# KiCad board STM32MP25XXAK with 2 DDR4.kicad_pcb (continued)
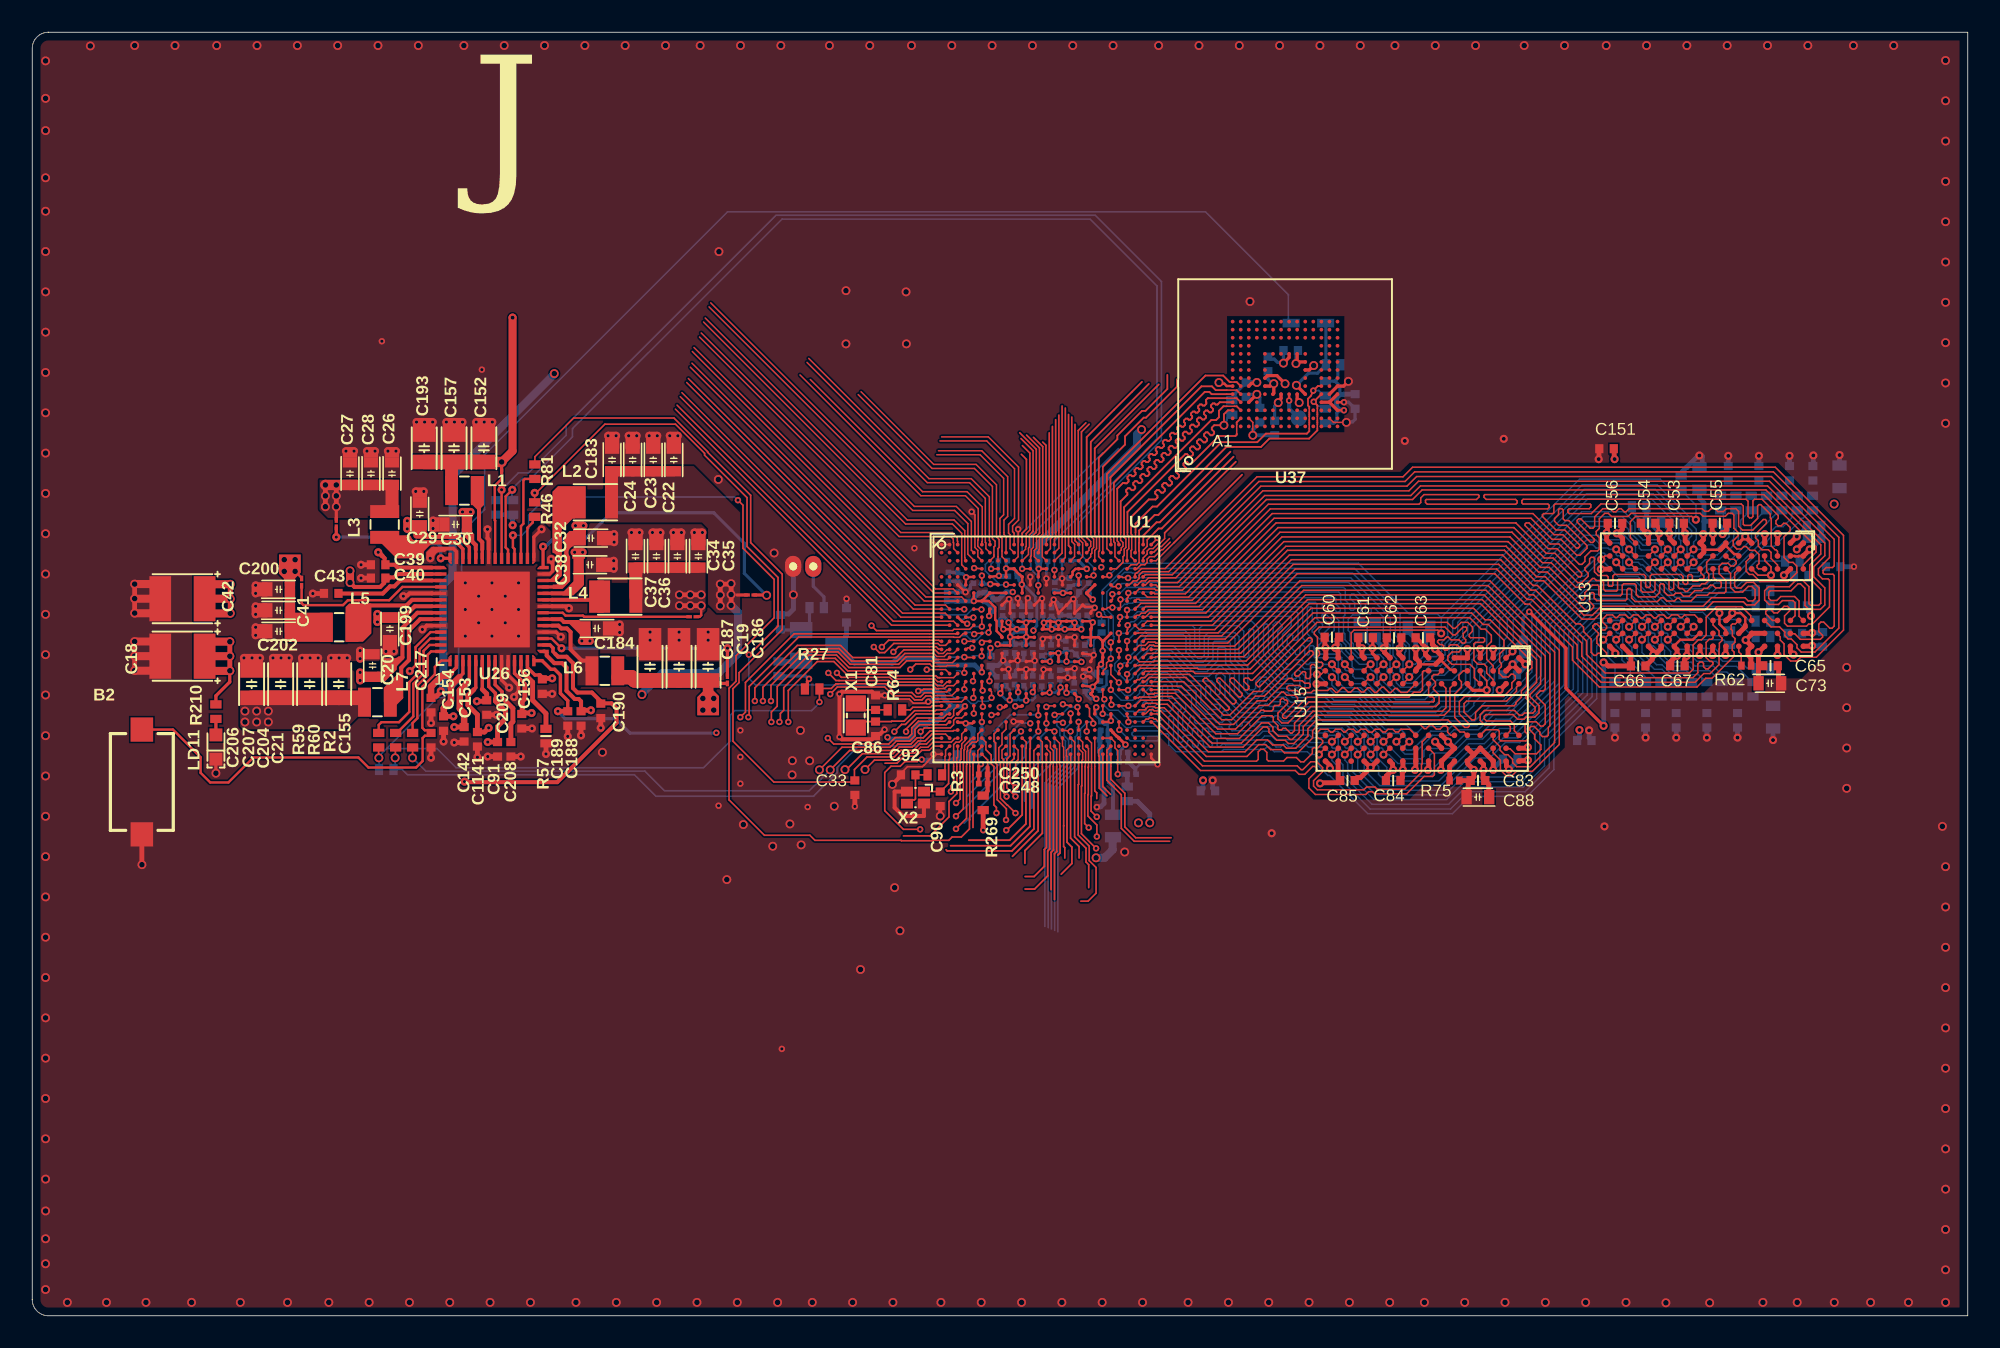
[diagram p0: board, top side]
## Routing (per net, layer and track width the routed paths; a pad name or vN(x,y) marks a point on that pad's centre or on a via; arc(x,y) is an arc through that point) (continued)
DDR_DQ17: length 57.9
  Top Layer w0.09: U1.E26 69.01,45.96 70.68,45.96 76.17,51.45 85.23,51.45 85.83,52.04 107.83,52.04 111.72,48.16 111.72,46.5 111.62,46.4 111.22,46.4 111.03,46.21 111.03,46.07 111.11,45.99 111.64,45.99 111.72,45.91 111.72,42.77 111.59,42.64 111.45,42.64 111.07,43.02 110.9,43.02 110.76,42.89 110.76,42.43 111,42.19 111,42.09 110.86,41.95 109.62,41.95 109.27,42.3 109.03,42.3 U13.B8
DDR_DQ18: length 60.7
  Top Layer w0.09: U1.F24 68.01,45.33 68.26,45.57 68.48,45.57 68.63,45.72 68.63,45.93 68.84,46.15 70.46,46.15 76.05,51.74 85.11,51.74 85.71,52.33 107.95,52.33 112.01,48.28 112.01,42.64 110.52,41.16 109.68,41.16 109.41,41.43 109.41,41.62 109.06,41.98 108.86,41.98 108.66,42.18 108.66,42.39 108.33,42.72 107.8,42.72 U13.D7
DDR_DQ19: length 60.6
  Top Layer w0.09: U13.C8 108.21,42.28 108.38,42.1 108.38,41.9 108.61,41.67 108.61,41.01 109.02,40.6 109.4,40.61 109.64,40.84 110.61,40.84 112.3,42.52 112.3,48.4 108.07,52.62 85.58,52.62 84.99,52.03 75.93,52.03 70.24,46.34 68.77,46.34 68.52,46.08 68.46,46.08 68.38,46 U1.E25
DDR_DQ20: length 58.9
  Top Layer w0.09: U1.J25 68.73,44.18 72.13,44.18 77.12,49.17 91.98,49.17 91.98,49.17 93.87,47.28 94.41,47.28 95.87,45.82 95.98,45.82 96.06,45.9 96.06,46.05 94.53,47.57 93.99,47.57 92.55,49.01 92.55,49.1 92.63,49.17 92.8,49.17 94.11,47.86 94.65,47.86 95.92,46.6 96.08,46.6 96.26,46.78 96.26,47.06 96.64,47.43 97.05,47.43 97.16,47.54 97.16,48.26 96.97,48.45 96.97,48.64 97.16,48.83 97.16,49.43 97.5,49.76 97.72,49.76 97.91,49.57 98.93,49.57 99.13,49.76 103.41,49.76 103.59,49.58 104.97,49.58 105.15,49.76 105.4,49.76 105.5,49.66 105.5,48.84 105.78,48.57 105.78,48.38 105.46,48.07 105.46,47.78 105.68,47.55 105.96,47.55 106.11,47.7 106.27,47.7 106.5,47.47 106.8,47.47 107.06,47.22 107.06,46.65 106.94,46.53 106.94,46.41 107.03,46.32 U13.D3
DDR_DQ21: length 59.1
  Top Layer w0.09: U13.C3 108.21,46.56 107.81,46.96 107.81,47.34 107.64,47.51 107.24,47.51 107.02,47.73 107.02,48.07 106.84,48.25 106.84,48.47 107.52,49.14 107.52,49.31 107.45,49.38 107.33,49.38 106.67,48.73 106.04,48.73 105.79,48.97 105.79,49.89 105.62,50.05 105.03,50.05 104.85,49.87 104.51,49.87 104.33,50.05 104.09,50.05 103.92,49.89 103.7,49.89 103.53,50.05 99.01,50.05 98.81,49.86 98.71,49.86 98.51,50.05 98.37,50.05 98.18,49.86 98.03,49.86 97.84,50.05 97.38,50.05 96.87,49.55 96.87,48.95 96.76,48.85 96.59,48.85 96.01,49.43 95.88,49.43 95.78,49.33 95.78,49.22 96.85,48.15 96.85,48.06 96.75,47.96 96.62,47.96 95.26,49.32 95.02,49.32 94.92,49.42 94.92,49.97 94.84,50.05 94.68,50.05 94.63,50 94.63,49.69 94.38,49.44 94.38,49.27 94.63,49.02 95.13,49.02 96.39,47.76 96.39,47.6 95.96,47.17 95.76,47.17 94.77,48.15 94.23,48.15 93.31,49.07 92.92,49.46 77,49.46 71.91,44.37 68.69,44.37 68.62,44.44 68.49,44.44 68.38,44.33
DDR_DQ22: length 56.9
  Top Layer w0.09: 108.21,47.1 108.21,47.41 108.11,47.51 108.05,47.51 107.82,47.74 107.82,49.42 ; U1.G26 69.13,44.57 71.69,44.57 76.88,49.75 93.04,49.75 94.35,48.44 94.89,48.44 95.73,47.61 95.84,47.61 95.94,47.71 95.94,47.8 95.01,48.73 94.47,48.73 93.63,49.57 93.63,49.67 93.71,49.75 94.28,49.75 94.34,49.81 94.34,50.26 94.43,50.34 96.58,50.34 96.63,50.29 96.63,50.15 96.53,50.05 95.29,50.05 95.21,49.97 95.21,49.84 95.3,49.75 96.66,49.75 97.26,50.34 105.95,50.34 106.08,50.22 106.08,49.09 106.16,49.02 106.54,49.02 106.97,49.45 106.97,50.22 107.06,50.31 107.16,50.31 107.76,49.71 107.76,49.48 107.82,49.42
DDR_DQ23: length 59.5
  Top Layer w0.09: U1.G25 68.63,45.07 69.59,45.07 69.66,45 71.31,45 76.64,50.33 85.98,50.33 86.09,50.44 86.09,50.72 86.29,50.92 89.65,50.92 89.7,50.87 89.7,50.78 89.55,50.62 86.43,50.62 86.38,50.57 86.38,50.44 86.49,50.33 91.98,50.33 92.07,50.42 92.07,50.53 91.96,50.63 90.14,50.63 90.01,50.77 90.01,50.87 90.06,50.92 107.37,50.92 110.6,47.69 110.6,47.36 109.81,46.57 U13.A3
DDR_DQ24: length 45.3
  Top Layer w0.09: U1.J26 69.04,43.99 72.35,43.99 77.24,48.88 91.86,48.88 91.86,48.88 93.75,46.99 94.29,46.99 95.82,45.46 96.06,45.46 96.47,45.87 96.47,46.05 96.27,46.25 96.27,46.38 96.55,46.66 96.55,46.94 96.65,47.03 96.79,47.03 96.86,46.97 96.86,46.14 97.09,45.91 97.62,45.91 97.71,45.82 97.71,45.3 97.76,45.25 97.95,45.25 98,45.3 98,45.88 98.1,45.97 99.92,45.97 100.03,45.86 100.03,45.23 100.09,45.16 100.24,45.16 100.32,45.24 100.32,45.88 100.42,45.97 102.23,45.97 102.35,45.86 102.35,45.47 102.46,45.36 102.56,45.36 102.64,45.43 102.64,45.9 102.7,45.96 102.85,45.96 102.93,45.89 102.93,45.61 102.98,45.55 103.25,45.55 103.4,45.7 103.59,45.7 103.64,45.75 103.64,45.88 103.45,46.07 103.45,46.27 U13.J3
DDR_DQ25: length 45.7
  Top Layer w0.09: 96.97,45.6 97.31,45.6 97.42,45.49 97.42,45.06 97.53,44.95 98.22,44.95 98.29,45.01 98.29,45.6 98.37,45.69 99.64,45.69 99.74,45.59 99.74,44.99 99.85,44.87 100.49,44.87 100.61,44.99 100.61,45.6 100.7,45.69 101.41,45.69 101.48,45.62 101.48,45.08 101.55,45.01 101.68,45.01 101.77,45.1 101.77,45.62 101.84,45.69 101.99,45.69 102.06,45.61 102.06,45.16 102.12,45.1 102.32,45.1 102.5,44.92 102.62,44.92 102.96,45.26 103.38,45.26 103.52,45.4 103.73,45.4 103.94,45.61 103.94,46.02 103.81,46.15 103.81,46.72 U13.H2 ; 93.62,46.71 91.74,48.59 91.74,48.59 77.36,48.59 72.55,43.78 69.2,43.78 68.99,43.58 68.76,43.58 68.63,43.44 68.49,43.44 U1.K25 ; 93.64,46.7 94.17,46.7 95.7,45.17 96.18,45.17 96.73,45.72 96.85,45.72 96.97,45.61
DDR_DQ26: length 45.1
  Top Layer w0.09: U1.K26 69.01,43.32 69.27,43.58 72.76,43.58 77.48,48.3 91.62,48.3 91.62,48.3 93.51,46.41 94.05,46.41 96.07,44.4 96.18,44.4 96.26,44.47 96.26,44.84 96.73,45.31 97.05,45.31 97.13,45.24 97.13,44.72 97.19,44.66 98.47,44.66 98.58,44.77 98.58,45.31 98.67,45.4 99.35,45.4 99.45,45.29 99.45,44.71 99.58,44.58 100.63,44.58 100.9,44.86 100.9,45.33 100.97,45.4 101.11,45.4 101.19,45.32 101.19,44.89 101.4,44.68 101.75,44.68 101.89,44.81 102.2,44.81 102.38,44.63 102.74,44.63 103.08,44.97 103.5,44.97 103.64,45.11 103.85,45.11 104.05,45.31 104.2,45.31 104.37,45.14 104.63,45.14 104.72,45.23 104.72,45.48 104.6,45.59 104.43,45.59 104.23,45.79 104.23,46.3 U13.H3
DDR_DQ27: length 46.7
  Top Layer w0.09: U1.K27 72.91,43.32 77.6,48.01 91.5,48.01 91.5,48.01 93.39,46.12 93.93,46.12 96.31,43.74 96.61,43.74 96.8,43.94 96.8,44.05 96.55,44.3 96.55,44.72 96.68,44.85 96.77,44.85 96.84,44.78 96.84,44.51 97,44.35 98.77,44.35 98.87,44.45 98.87,45.02 98.95,45.11 99.07,45.11 99.16,45.01 99.16,44.51 99.38,44.29 100.76,44.29 101,44.53 101.13,44.53 101.34,44.33 101.81,44.33 101.98,44.5 102.1,44.5 102.27,44.33 102.84,44.33 103.2,44.68 103.86,44.68 104,44.82 104.91,44.82 105.01,44.92 105.01,45.6 104.58,46.02 104.58,46.47 104.78,46.66 105.15,46.66 105.31,46.5 105.5,46.5 105.65,46.65 105.65,46.79 105.52,46.91 105.22,46.91 105.01,47.12 U13.G2
DDR_DQ28: length 45.8
  Top Layer w0.09: 101.25,43.36 101.15,43.46 100.86,43.46 100.67,43.28 100.54,43.28 100.35,43.46 100.06,43.46 99.85,43.26 99.75,43.26 99.75,43.26 99.55,43.46 99.26,43.46 99.09,43.29 98.95,43.29 98.78,43.46 98.42,43.46 98.25,43.3 98.15,43.3 97.98,43.46 97.62,43.46 97.36,43.2 97.36,43.03 97.61,42.77 97.61,42.64 97.5,42.53 97.38,42.53 97,42.91 96.89,42.91 96.75,42.77 96.75,42.68 97.1,42.33 97.1,42.22 97.01,42.13 97.01,41.71 97.61,41.11 97.61,40.98 97.55,40.93 97.34,40.93 97.18,41.08 97.08,41.08 96.95,40.95 96.84,40.95 96.65,41.14 96.65,41.96 96.18,42.44 96.18,42.44 96.18,42.7 95.98,42.91 95.71,42.91 93.32,45.29 93.05,45.29 93.04,45.3 93.03,45.3 91.16,47.18 91.15,47.18 77.94,47.18 73.32,42.55 68.64,42.55 68.38,42.82 ; 101.25,43.37 101.34,43.28 101.45,43.28 101.64,43.46 102.02,43.46 102.18,43.31 102.29,43.31 102.44,43.46 103.07,43.46 103.41,43.13
DDR_DQ29: length 44.7
  Top Layer w0.09: U1.N25 68.71,42.16 73.74,42.16 78.18,46.6 90.91,46.6 90.92,46.6 92.79,44.72 92.8,44.72 92.81,44.71 93.08,44.71 96.07,41.72 96.07,40.9 97.4,39.57 102.96,39.57 103.27,39.88 103.27,40.42 103.39,40.54 103.53,40.54 103.62,40.46 103.62,40.26 103.76,40.12 103.9,40.12 104.2,40.42 104.2,40.51 104.13,40.58 104.02,40.58 103.78,40.82 103.78,41.76 103.97,41.95 104.12,41.95 104.21,42.04 104.21,42.32 U13.H8
DDR_DQ30: length 44.5
  Top Layer w0.09: U1.N26 69.02,41.97 73.96,41.97 78.3,46.31 90.79,46.31 90.8,46.31 92.67,44.43 92.68,44.43 92.69,44.42 92.96,44.42 95.78,41.6 95.78,40.78 97.28,39.28 97.49,39.28 97.49,39.28 103.09,39.28 103.63,39.83 104.02,39.83 104.58,40.39 104.58,41.34 104.6,41.36 104.6,41.71 104.77,41.88 104.77,42.03 104.58,42.21 104.58,42.47 104.21,42.84 104.21,43.12 U13.H7
DDR_DQ31: length 46
  Top Layer w0.09: U1.P25 68.63,41.57 69,41.57 69.2,41.78 69.61,41.78 69.66,41.72 74.12,41.72 78.42,46.02 90.67,46.02 90.68,46.02 92.55,44.14 92.56,44.14 92.57,44.13 92.84,44.13 95.49,41.48 95.49,40.66 97.16,38.99 103.21,38.99 103.75,39.54 104.15,39.54 105.52,40.91 105.52,41.16 105.4,41.27 105.4,41.6 105.57,41.77 105.57,42 105.41,42.16 105.41,42.5 105.33,42.58 105.33,42.82 105.41,42.91 105.59,42.91 U13.F7
DDR_DQM0: length 23.9
  Top Layer w0.09: U15.E7 88.77,36.2 88.52,36.2 87.77,36.95 79.63,36.95 79.09,36.41 79.09,35.95 78.34,35.2 77.76,35.2 77.56,35.4 76.9,35.4 76.59,35.71 75.93,35.71 75.19,34.97 72.91,34.97 70.18,37.71 69.64,37.71 69.56,37.78 69.19,37.78 68.99,37.57 68.63,37.57 U1.AB25
DDR_DQM1: length 39.1
  Top Layer w0.09: U15.E2 88.72,40 88.46,39.73 88.46,39.47 88.61,39.32 88.61,38.97 88.19,38.55 88.19,37.11 88.81,36.49 89.01,36.49 89.1,36.57 89.1,36.7 88.48,37.32 88.48,38.08 88.81,38.41 91.23,38.41 91.73,38.92 91.73,39.26 91.95,39.47 91.95,39.66 91.82,39.79 91.69,39.79 91.52,39.62 91.18,39.62 90.94,39.85 90.94,40.11 91.09,40.26 91.09,40.45 90.98,40.56 90.98,41.04 91.24,41.31 91.24,41.89 90.26,42.87 89.95,42.87 89.24,43.58 79.41,43.58 75.66,39.83 72.11,39.83 71.97,39.96 69.01,39.96 68.88,39.83
DDR_DQM2: length 57.2
  Top Layer w0.09: U1.G27 69.54,44.82 69.6,44.77 71.49,44.77 76.76,50.04 93.95,50.04 94.05,50.14 94.05,50.26 93.97,50.34 92.43,50.34 92.36,50.41 92.36,50.55 92.44,50.63 106.26,50.63 106.38,50.52 106.38,49.58 106.47,49.48 106.6,49.48 106.68,49.57 106.68,50.54 106.78,50.63 107.25,50.63 108.25,49.63 108.25,49.45 108.11,49.31 108.11,49.13 108.24,48.99 108.43,48.99 108.59,49.14 108.74,49.14 108.99,48.89 108.99,48.69 108.61,48.31 108.61,47.03 108.92,46.72 109.17,46.72 109.4,46.49 109.4,46.09 108.85,45.53 107.12,45.53 106.67,45.97 106.46,45.97 106.26,46.18 106.26,46.77 106.61,47.12
DDR_DQM3: length 47.2
  Top Layer w0.09: U1.M25 68.54,42.32 68.57,42.35 73.52,42.35 78.06,46.89 91.03,46.89 91.04,46.89 92.91,45.01 92.92,45.01 92.93,45 93.2,45 96.36,41.84 96.36,41.02 97.52,39.86 102.75,39.86 102.98,40.09 102.98,41.6 103.3,41.92 103.49,41.92 103.78,42.21 103.78,43.33 104.43,43.98 105.98,43.98 106.55,43.41 106.55,43.18 U13.E7
DDR_DQS0_N: length 24.1
  Top Layer w0.09: U15.F3 87.9,38.92 87.9,37.6 87.54,37.24 79.51,37.24 78.8,36.53 78.8,36.07 78.22,35.49 77.88,35.49 77.68,35.69 77.17,35.69 76.67,36.19 76.67,36.39 76.55,36.51 76.32,36.51 75.07,35.26 73.03,35.26 70.37,37.92 69.73,37.92 69.68,37.98 69.03,37.98 U1.AA26
DDR_DQS0_P: length 24.3
  Top Layer w0.09: U15.G3 87.37,39.19 87.65,38.92 87.65,37.71 87.43,37.49 79.41,37.49 78.55,36.63 78.55,36.17 78.12,35.74 77.98,35.74 77.78,35.94 77.27,35.94 76.92,36.29 76.92,36.49 76.65,36.76 76.22,36.76 74.97,35.51 73.14,35.51 70.48,38.17 68.72,38.17 U1.AA25
DDR_DQS1_N: length 38.9
  Top Layer w0.09: U1.R25 68.64,40.56 69.53,40.56 69.57,40.6 75.26,40.6 79.06,44.41 89.9,44.41 93.52,40.79 93.52,39.18 92.87,38.53 92.87,38.4 93.42,37.84 93.42,37.39 93.16,37.13 92.62,37.13 92.49,36.99 92.09,36.99 91.8,37.29 90.13,37.29 90.02,37.18 90.02,37.03 90.16,36.89 91.65,36.89 91.89,36.65 91.89,36.28 U15.A7
DDR_DQS1_P: length 38.4
  Top Layer w0.09: 91.36,36 91.64,36.28 91.64,36.54 91.54,36.64 90.06,36.64 89.77,36.92 89.77,37.28 90.03,37.54 91.9,37.54 92.2,37.24 92.38,37.24 92.52,37.38 93.03,37.38 93.17,37.52 93.17,37.74 92.62,38.29 92.62,38.63 93.27,39.28 93.27,40.69 89.79,44.16 79.17,44.16 75.36,40.35 68.64,40.35 68.61,40.32 U1.T25
DDR_DQS2_N: length 59.7
  Top Layer w0.09: U1.F26 69.02,45.32 69.27,45.57 69.77,45.57 69.88,45.47 71.01,45.47 76.41,50.87 85.47,50.87 86.07,51.46 107.59,51.46 111.14,47.92 111.14,47.14 110.45,46.45 110.45,45.83 111.14,45.14 111.14,44.08 110.86,43.81 110.16,43.81 109.9,44.06 109.9,45.12 109.63,45.39 109.48,45.39 109.05,44.96 107.76,44.96 107.66,44.86 107.66,44.49 107.79,44.36 108.16,44.36 108.4,44.6 109.27,44.6 109.54,44.33 109.54,43.38 U13.A7
DDR_DQS2_P: length 58.7
  Top Layer w0.09: U1.F27 69.66,45.32 69.77,45.22 71.12,45.22 76.52,50.62 85.58,50.62 86.17,51.21 107.49,51.21 110.89,47.81 110.89,47.24 110.2,46.56 110.2,45.72 110.89,45.04 110.89,44.18 110.76,44.06 110.26,44.06 110.15,44.16 110.15,45.22 109.73,45.64 109.37,45.64 108.94,45.21 107.65,45.21 107.41,44.97 107.41,44.39 107.69,44.11 108.27,44.11 108.51,44.35 109.16,44.35 109.29,44.22 109.29,43.41 109.01,43.13
DDR_DQS3_N: length 45.8
  Top Layer w0.09: U13.F3 105.55,46.06 105.55,45.27 105.68,45.13 105.94,45.13 106.29,45.48 106.72,45.48 107.07,45.13 107.07,44.37 106.79,44.09 106.28,44.09 106.09,44.28 104.22,44.28 103.69,43.75 97.4,43.75 96.84,43.2 96.09,43.2 93.71,45.58 93.17,45.58 91.28,47.47 91.27,47.47 77.82,47.47 73.18,42.82 69.38,42.82 U1.L27
DDR_DQS3_P: length 46
  Top Layer w0.09: 105.01,46.32 105.3,46.03 105.3,45.16 105.58,44.88 106.04,44.88 106.39,45.23 106.61,45.23 106.82,45.03 106.82,44.47 106.68,44.34 106.39,44.34 106.19,44.53 104.12,44.53 103.59,44 97.29,44 96.74,43.45 96.19,43.45 93.81,45.83 93.27,45.83 91.38,47.72 91.38,47.72 77.72,47.72 73.07,43.07 69.48,43.07 69.48,43.07 69.13,43.07 U1.L26
DDR_ODT: length 60.6
  Top Layer w0.09: U13.K3 103,46.72 v3(103,46.73) ; U15.K3 84.99,39.2 85.38,39.59 85.38,39.62 ; v1(66.87,41.77) 66.87,41.76 U1.P22 ; 103.01,46.69 103.01,46.72
  Bottom Layer w0.09: v1(66.87,41.77) 67.07,41.97 67.07,42.12 67.02,42.16 67.02,43.38 66.62,43.78 66.62,44.89 67,45.27 67,45.38 67.71,46.1 68.16,46.1 68.2,46.06 81.86,46.06 84.51,43.41 84.51,42.19 85.17,41.54 85.17,41.21 85.09,41.13 85.09,40.68 84.98,40.57 84.98,40.03 85.38,39.63 v3(85.38,39.62) ; v3(103,46.73) 103,47.06 102.93,47.13 102.84,47.13 102.6,47.38 102.6,47.89 102.71,48 102.71,48.19 102.88,48.36 102.88,48.69 102.38,49.19 102.38,49.5 100.62,51.25 96.22,51.25 88.06,43.09 88.06,42.15 87.59,41.67 87.59,41 87.18,40.59 86.36,40.59 85.38,39.61 ; 105.63,49.95 R170.1 105.63,48.78 105.49,48.64 105.49,48.2 104.48,47.18 103.47,47.18 103.01,46.72
DDR_RASN: length 59.6
  Top Layer w0.09: U1.R23 v1(67.38,41.28) 67.38,41.29 ; 101.41,41.93 101.8,42.32 ; 83.78,34.83 84.15,35.2
  Bottom Layer w0.09: 100.76,43.12 100.7,43.12 99.09,44.74 96.37,44.74 94.39,42.75 94.39,39.35 91.74,36.71 90.85,36.71 89.91,35.77 88.94,35.77 88.06,34.89 86.78,34.89 86.64,34.76 86.64,34.38 86.52,34.25 84.67,34.25 84.11,34.8 v3(83.78,34.8) 83.75,34.83 83.75,35.13 83.67,35.21 83.54,35.21 83.38,35.37 83.38,35.8 81.79,37.39 80.32,37.39 79.95,37.76 77.91,37.76 77.59,38.08 76.85,38.08 76.57,38.35 76.45,38.35 76.09,37.99 75.13,37.99 74.54,38.58 74.54,39.89 73.99,40.43 73.99,41.39 73.92,41.45 73.57,41.45 73.49,41.38 73.49,40.61 72.83,39.95 71.93,39.95 70.62,41.26 69.73,41.26 68.26,39.79 68.26,39.62 68.07,39.43 67.78,39.43 67.78,39.43 67.75,39.43 67.12,40.07 67.12,40.45 67.38,40.71 v1(67.38,41.28) 67.38,41.29 ; R185.1 106.58,39.3 106.37,39.51 106.37,39.56 105.65,40.28 104.71,40.28 104.4,40.58 103.21,40.58 102.97,40.83 102.97,41.11 102.76,41.33 102,41.33 v3(101.4,41.93) 101.4,42.28 101.35,42.33 101.23,42.33 101.01,42.56 101.01,42.88 100.76,43.13
DDR_RESETN: length 57.5
  Top Layer w0.09: U1.E21 66.6,45.82 ; 87.2,42.32 v3(87.35,42.32) 87.15,42.52 81.95,42.52 81.77,42.35 U15.P1 ; 99.41,47.93 99.08,48.25 99.08,49.25 99.41,49.58 102.89,49.58 103.04,49.42 103.14,49.42
  Bottom Layer w0.09: 66.78,45.92 67.53,46.67 82.22,46.67 85.36,43.53 87.12,43.53 87.35,43.29 v3(87.35,42.32) ; 103.14,49.42 103.15,49.43 103.15,50.27 102.22,51.2 101.61,51.2 100.93,51.88 95.93,51.88 87.35,43.3
  vias: v1(66.78,45.92) v3(103.14,49.37)
DDR_WEN: length 56.1
  Top Layer w0.09: 101.81,47.13 v3(102.2,47.53) ; U1.E23 67.57,45.82 67.61,45.78 67.94,45.78 ; 84.53,40.4 84.17,40.05 U15.L2
  Bottom Layer w0.09: 102.21,47.53 102.21,47.47 102.6,47.07 102.6,46.57 102.84,46.33 103.17,46.33 103.72,46.89 104.59,46.89 105.78,48.08 105.78,48.46 105.92,48.6 105.92,49.33 106.27,49.69 106.27,49.74 106.48,49.95 R169.1 ; v3(102.2,47.53) 102.2,48.08 102.09,48.2 102.09,49.38 100.5,50.96 96.34,50.96 88.38,43 88.38,42.19 87.84,41.65 87.84,40.84 87.3,40.3 86.64,40.3 85.56,39.22 85.21,39.22 84.98,39.46 84.98,39.76 84.79,39.95 84.79,40.15 84.58,40.36 v3(84.58,40.4) 84.58,40.75 84.37,40.95 84.37,41.84 84.2,42 84.2,43.31 81.74,45.77 67.94,45.77
  vias: v1(67.94,45.75)
eMMC.SDMMC2_CK: length 19.1
  Top Layer w0.09: 79.18,55.04 79.18,55.27 ; 68.4,48.57 68.4,47.35 U1.B25 ; 79.18,56.04 79.18,56.27 ; 79.18,55.54 79.18,55.77
  Top Layer w0.11: 79.18,55.27 79.18,55.4 ; 79.18,55.91 79.18,56.04 ; 79.18,55.41 79.18,55.54 ; 68.4,48.57 68.4,49.13 69.46,50.18 69.73,50.18 73.73,54.17 75.95,54.17 76.48,54.71 79.02,54.71 79.18,54.86 79.18,55.04 ; U37.M6 79.71,57.65 v1(79.43,57.37) 79.28,57.06 79.1,56.87 79.1,56.45 79.18,56.37 79.18,56.27 ; 79.18,55.77 79.18,55.9
  Bottom Layer w0.11: v1(79.43,57.37) 79.76,57.37 80.08,57.06 R103.1
eMMC.SDMMC2_CMD: length 20
  Top Layer w0.09: U1.D24 68.13,46.57 68.48,46.57 68.63,46.72 68.63,47.43 68.62,47.44 68.62,47.45 ; 79.68,56.04 79.68,56.27 ; 79.68,55.04 79.68,55.27 ; 79.68,55.54 79.68,55.77
  Top Layer w0.11: 79.68,55.41 79.68,55.54 ; 79.68,55.27 79.68,55.4 ; 79.68,55.77 79.68,55.9 ; 79.92,57.15 v1(79.45,56.68) 79.68,56.46 79.68,56.27 ; 79.68,55.91 79.68,56.04 ; 79.68,55.04 79.68,54.91 79.16,54.4 76.7,54.4 76.18,53.88 74.03,53.88 69.82,49.66 69.59,49.66 68.63,48.7 68.63,47.94 68.62,47.93 68.62,47.45 68.62,47.45
  Bottom Layer w0.11: R104.1 80.02,56.41 79.72,56.41 v1(79.45,56.68)
eMMC.SDMMC2_D0: length 16
  Top Layer w0.09: U1.C24 67.88,46.83 67.88,47.47 67.99,47.57 67.99,48.33 67.9,48.42 67.9,48.57
  Top Layer w0.11: U37.A3 74.13,56.15 73.88,55.91 v2(73.88,55.23) 73.28,55.23 73.13,55.08 73.13,54.97 73.28,54.82 73.28,54.71 73.17,54.6 73.06,54.6 72.87,54.79 72.76,54.79 72.66,54.68 72.66,54.57 72.84,54.38 72.84,54.28 72.73,54.17 72.62,54.17 72.44,54.35 72.33,54.35 72.22,54.24 72.22,54.13 72.4,53.95 72.4,53.84 72.29,53.73 72.18,53.73 72,53.91 71.89,53.91 71.78,53.8 71.78,53.69 71.96,53.51 71.96,53.4 71.85,53.29 71.74,53.29 71.6,53.43 71.49,53.43 67.9,49.85 67.9,48.57
  Bottom Layer w0.11: R101.1 74.28,55.87 74.08,55.67 74.08,55.58 74.06,55.56 74.06,55.51 73.88,55.34 v2(73.88,55.23)
eMMC.SDMMC2_D1: length 18.8
  Top Layer w0.09: 67.48,48.57 67.48,48.1 67.63,47.95 67.63,47.72 67.52,47.62 67.52,47.5 67.38,47.36 U1.B23
  Top Layer w0.11: U37.A4 73.63,56.65 73.48,56.51 73.38,56.51 73.3,56.58 73.19,56.58 73.09,56.47 73.09,56.36 73.21,56.24 73.21,56.13 73.1,56.02 72.99,56.02 72.87,56.14 72.76,56.14 72.65,56.03 72.65,55.92 72.77,55.8 72.77,55.69 72.66,55.58 72.55,55.58 72.43,55.7 72.32,55.7 72.21,55.59 72.21,55.48 72.33,55.36 72.33,55.25 72.22,55.14 72.11,55.14 71.99,55.27 71.88,55.27 71.77,55.16 71.77,55.05 71.89,54.93 71.89,54.82 71.78,54.71 71.67,54.71 71.55,54.83 71.44,54.83 71.33,54.72 71.33,54.61 71.45,54.49 71.45,54.38 71.34,54.27 71.23,54.27 71.11,54.39 71,54.39 70.89,54.28 70.89,54.17 71.01,54.05 71.01,53.94 70.9,53.83 70.8,53.83 70.67,53.95 70.56,53.95 70.45,53.84 70.45,53.73 70.58,53.61 70.58,53.5 70.47,53.39 70.36,53.39 70.24,53.51 70.13,53.51 70.02,53.4 70.02,53.29 70.14,53.17 70.14,53.06 70.03,52.95 69.92,52.95 69.8,53.07 69.69,53.07 69.58,52.96 69.58,52.85 69.7,52.73 69.7,52.62 69.59,52.51 69.48,52.51 69.36,52.64 69.25,52.64 69.14,52.53 69.14,52.42 69.26,52.29 69.26,52.19 69.15,52.08 69.04,52.08 68.92,52.2 68.81,52.2 68.7,52.09 68.7,51.98 68.82,51.86 68.82,51.75 68.71,51.64 68.6,51.64 68.48,51.76 68.37,51.76 68.26,51.65 68.26,51.54 68.38,51.42 68.38,51.31 68.27,51.2 68.16,51.2 68.04,51.32 67.93,51.32 67.82,51.21 67.82,51.1 67.9,51.03 67.9,50.92 67.48,50.5 67.48,48.57
eMMC.SDMMC2_D2: length 14.7
  Top Layer w0.09: U1.C23 67.13,47.07 67.13,47.93 67.06,48 67.06,48.39 67.05,48.4
  Top Layer w0.11: U37.A5 73.12,57.15 72.98,57.29 72.69,57.29 67.06,51.66 67.06,48.4 67.05,48.4
eMMC.SDMMC2_D3: length 15.5
  Top Layer w0.09: 68.13,48.57 68.13,48.49 68.17,48.45 68.17,47.5 68.13,47.46 68.13,47.07 U1.C25 ; 74.68,54.7 74.68,55.27
  Top Layer w0.11: U37.B2 74.68,55.4 74.68,55.27 ; 74.68,54.7 74.68,54.64 74.6,54.56 73.58,54.56 71.84,52.82 71.74,52.82 71.59,52.96 71.48,52.96 71.37,52.85 71.37,52.74 71.54,52.58 71.54,52.47 71.43,52.36 71.32,52.36 71.16,52.53 71.05,52.53 70.94,52.42 70.94,52.31 71.1,52.14 71.1,52.03 70.99,51.92 70.88,51.92 70.72,52.09 70.61,52.09 70.5,51.98 70.5,51.87 70.66,51.7 70.66,51.59 70.55,51.48 70.44,51.48 70.28,51.65 70.17,51.65 70.06,51.54 70.06,51.43 70.22,51.27 70.22,51.16 70.11,51.05 70,51.05 69.84,51.21 69.73,51.21 69.62,51.1 69.62,50.99 69.76,50.85 69.76,50.74 69.65,50.62 69.23,50.62 68.13,49.53 68.13,48.57